# Altium PCB HYDRA_V4_RECOVERY.PcbDoc (part 2 of 2)
Units mm, origin at the board's own origin, x right, y up, seen from the top; angles counter-clockwise.
Board outline 50.1 x 44.1 mm, 4 copper layers (Top Layer, PWR, GND, Bottom Layer), stack 1.586 mm thick; 185 components, 163 nets, 731 pads, 273 vias.
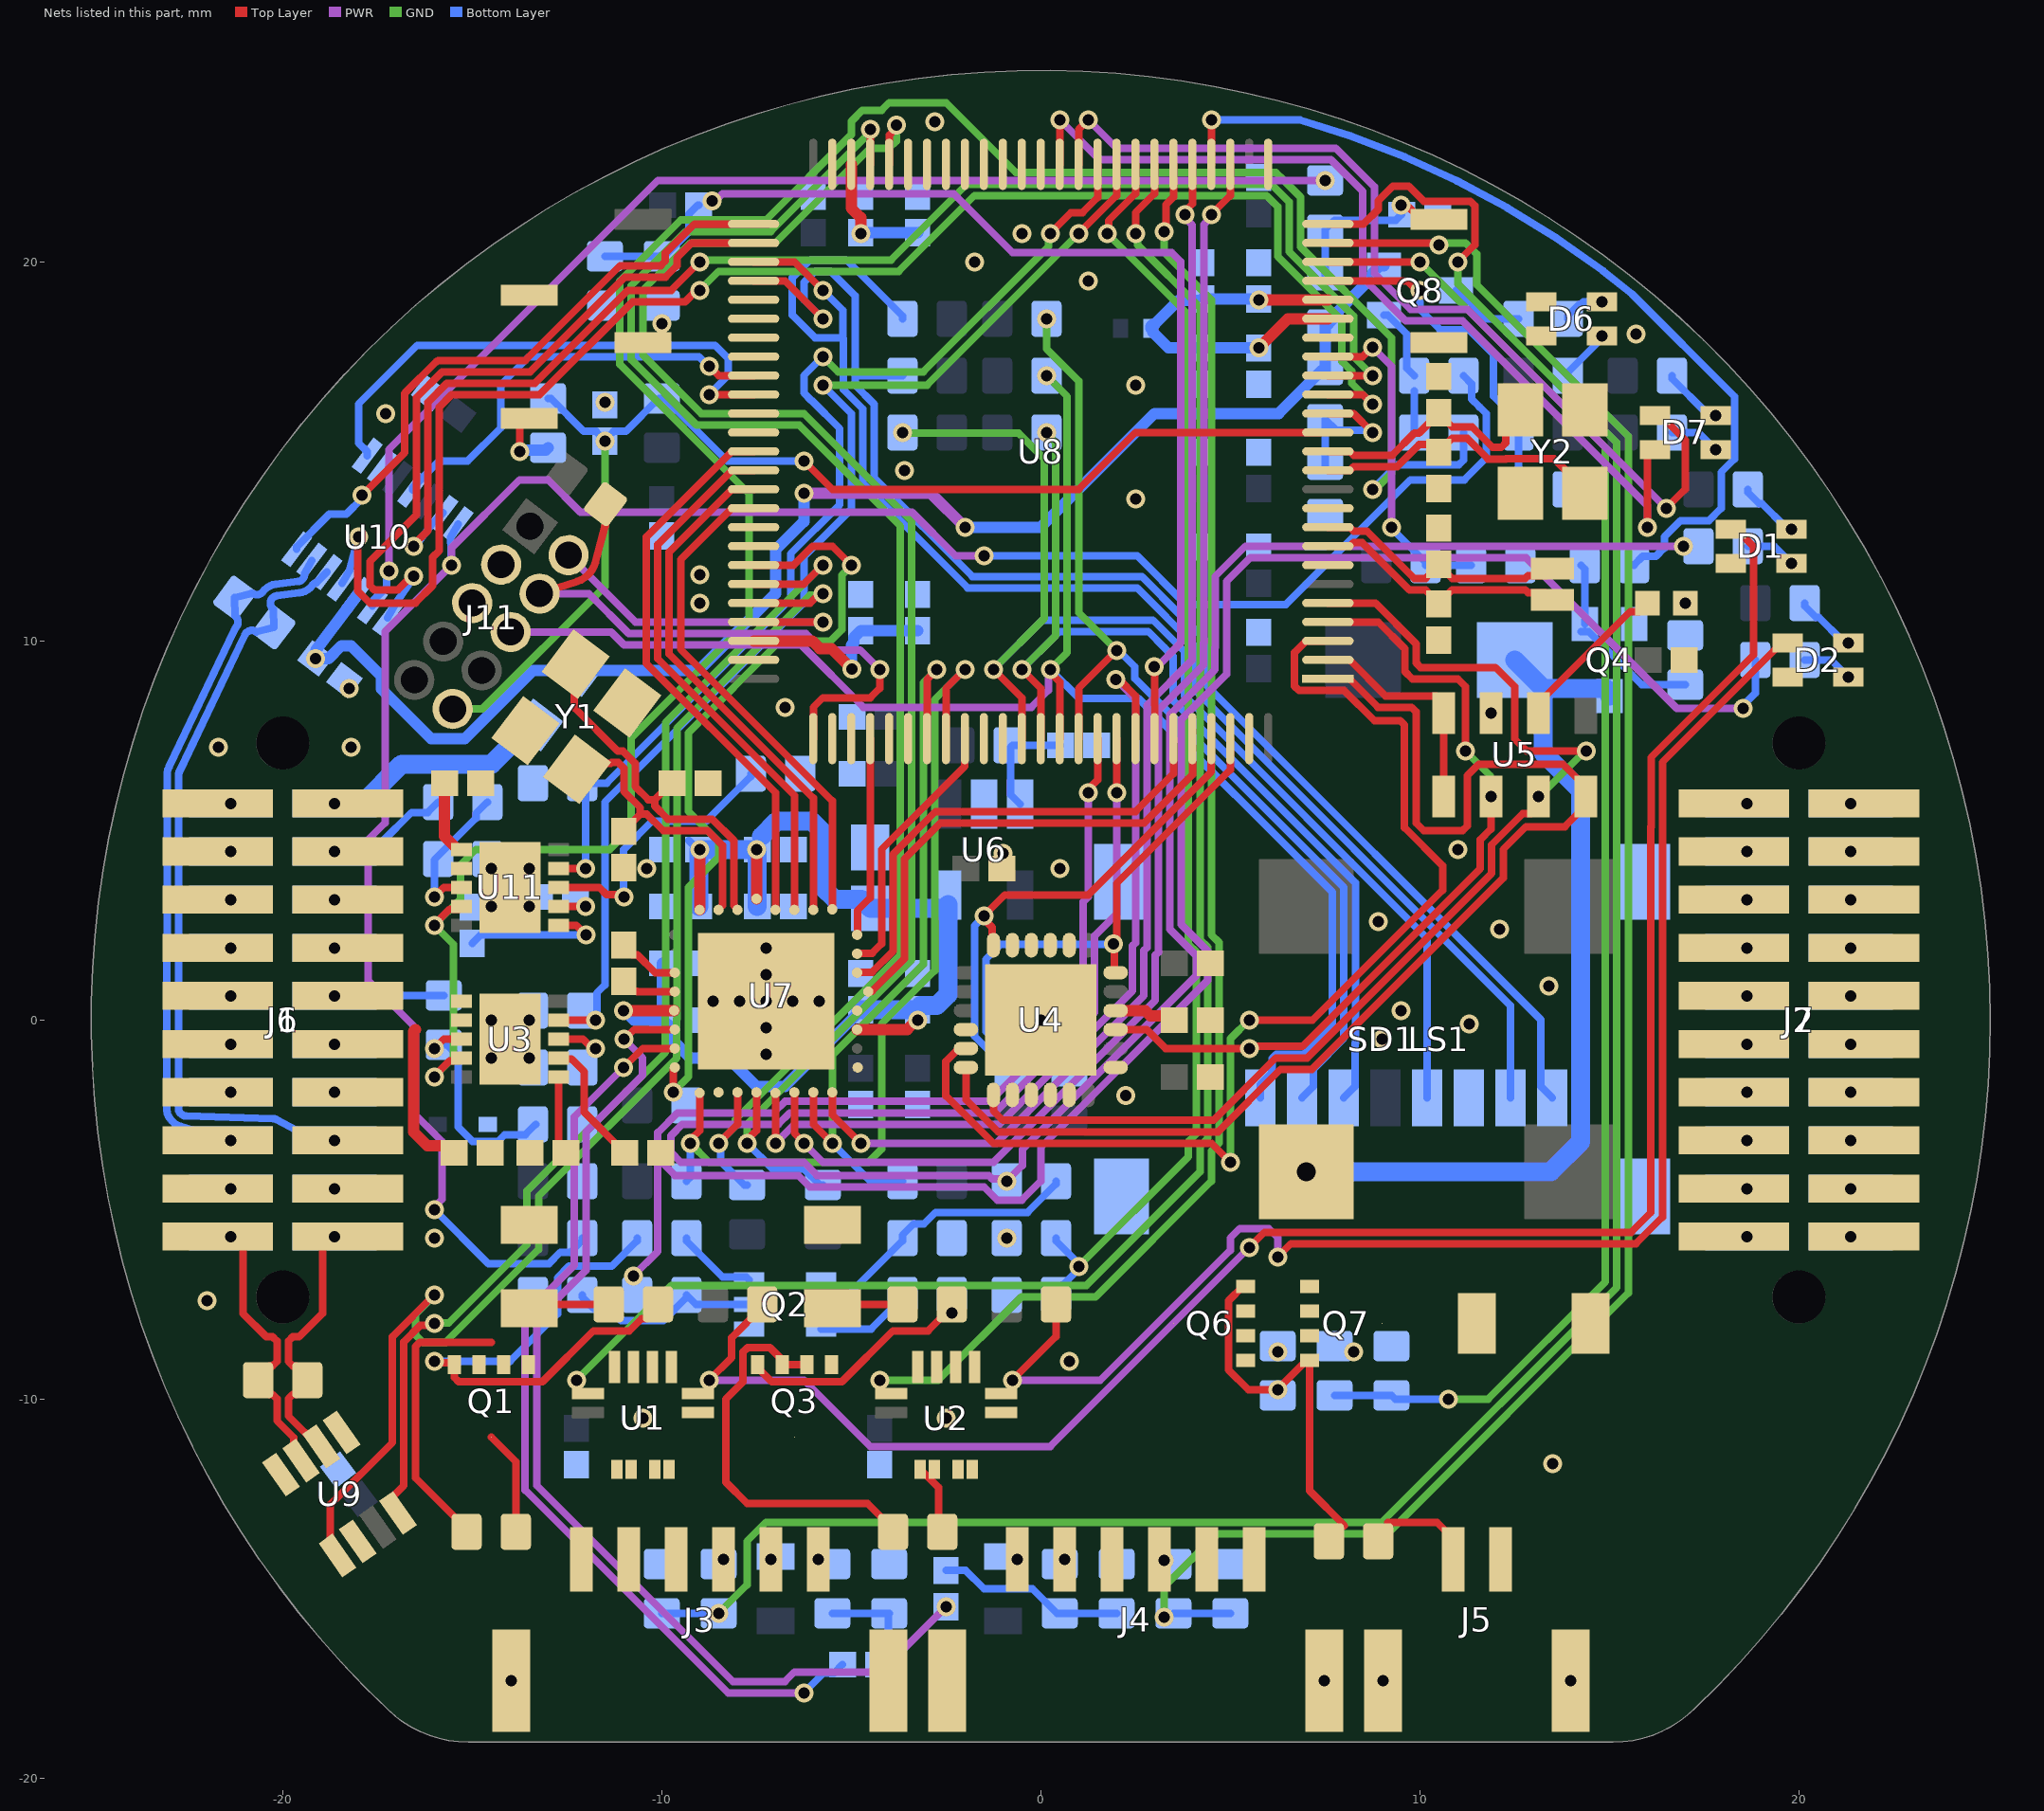
[diagram p4: the nets of this part, all layers, seen from the top]

## Via types
v1: diameter 0.5, hole 0.3, Top Layer to Bottom Layer, tented both sides, 259 vias
v2: diameter 0.5, hole 0.3, Top Layer to Bottom Layer, 10 vias
v3: diameter 0.75, hole 0.5, Top Layer to Bottom Layer, tented both sides, 4 vias

## Nets (pads, with @x,y where several pads share a name; then routed paths per layer and width w, separated by ;. In a path a pad name is that pad's centre, name@x,y a point inside that pad or via, vN(x,y) a via of type N, cw(c..) or ccw(c..) an arc to the next point about the centre after c; other vN are vias at no path point) (continued)
AVDD: C12.1 C19.2 C20.2 C21.2 C22.2 C23.2 C24.2 C27.2 C28.2 U6.5 U7.3 U7.13 U7.16 U7.21 | length 32.2
  Top Layer w0.3: v1(-11.002,0.25) U7.21@-9.671,0.25 ; U7.16@-9,2.905 v1(-9,4.5) ; U7.13@-7.5,3.198 v1(-7.5,4.5) ; U7.3@-4.845,-0.25 -3.526,-0.25 -3.276,-0.001 v1@-3.251,-0.001
  Bottom Layer w0.2: C28.2@-9.279,4.736 -9.043,4.5 C28.2@-9.021,4.5 v1(-9,4.5)
  Bottom Layer w0.3: v1(-11.002,0.25) -10.983,0.25 -10.733,0 C19.2@-9.979,0 ; C20.2@-9.979,1.5 -9.979,0.018 -9.975,0.018 -9.771,-0.186 -9.771,-0.479 -9.25,-1 -8.25,-1 -7.5,-1.75 -6.75,-1.75 -4.75,0.25 C21.2@-4.75,0.271
  Bottom Layer w0.5: C27.2@-9.021,3 C28.2@-9.021,4.479 ; v1(-9,4.5) v1(-7.5,4.5) -7.479,4.479 C23.2@-7.479,3 ; -7.371,4.842 -6.963,5.25 -6.043,5.25 -5.75,4.957 -5.75,3.5 -5.435,3.185 -4.736,3.185 C12.1@-4.5,2.948 -2.55,2.948 U6.5@-2.45,3.048 ; C21.2@-4.75,0.271 C22.2@-3.25,0.271 -3.25,0.293 -3.164,0.379 -2.743,0.379 -2.45,0.672 U6.5@-2.45,3.048 ; U6.5@-2.45,3.05 U6.5@-2.45,3.048
  other v1: -3.25,0
BARO_MISO: U4.9 U5.6 U8.4 | length 21.5
  Top Layer w0.2: U4.9@1.975,-0.25 2.792,-0.25 3.292,-0.75 v1(5.508,-0.75) ; v1@5.5,-0.75 5.553,-0.697 6.903,-0.697 11.597,3.997 11.597,4.759 11.875,5.037 v1(11.875,5.9) ; U8.4@7.575,10.5 8.901,10.5 9.602,9.799 9.602,9.198 9.8,9 11,9 11.2,8.8 v1@11.2,7.3
  GND w0.2: v1(11.2,7.1) 11.85,6.45 11.85,5.925 v1(11.875,5.9)
BARO_MOSI: U4.1 U5.7 U8.5 | length 30.3
  Top Layer w0.2: U4.1@-1.25,-1.975 -1.25,-2.397 -1,-2.647 4.553,-2.647 6.202,-0.998 7.028,-0.998 11.898,3.872 11.898,4.625 12.723,5.45 12.925,5.45 13.125,5.65 v1(13.125,5.9) ; U8.5@7.575,11 8.828,11 9.904,9.924 9.904,9.419 10.021,9.302 11.998,9.302 12.5,8.8 12.5,7.417 12.817,7.1 v1(14.397,7.1)
  GND w0.2: v1(13.125,5.9) 13.163,5.9 14.363,7.1 v1(14.397,7.1)
BARO_nCS: U5.4 U5.5 U8.2 | length 5.8
  Top Layer w0.2: U8.2@7.575,9.5 8.147,9.5 9.095,8.552 10.125,8.552 10.127,8.55 10.425,8.55 10.5,8.475 U5.4@10.5,8.25 ; U5.5@10.625,5.9 U5.4@10.625,8.1
BARO_SCLK: U4.24 U5.8 U8.1 | length 33.9
  Top Layer w0.2: U4.24@-1.975,-1.25 -1.975,-2.098 -1.125,-2.948 4.678,-2.948 6.327,-1.3 7.153,-1.3 12.2,3.747 12.2,4.5 12.8,5.1 13.825,5.1 14.375,5.65 U5.8@14.375,5.9 ; U8.1@7.575,9 8.147,9 8.897,8.25 9.783,8.25 9.9,8.133 9.9,5.2 10.1,5 11.133,5 11.25,5.117 11.25,6.443 11.557,6.75 13.775,6.75 14.5,6.025 U5.8@14.5,6
BOOT: C56.1 R72.2 R73.2 U8.94 | length 29.4
  Top Layer w0.2: U8.94@3,7.425 v1@3,9.312
  PWR w0.2: v1(-8.664,21.603) -8.593,21.603 -8.397,21.8 -2.3,21.8 -0.75,20.25 3.45,20.25 3.697,20.003 3.697,10.203 3.694,10.2 3.694,9.944 3.067,9.317 v1(2.995,9.317)
  Bottom Layer w0.2: R73.2@-11.5,20.15 R72.2@-10,20.15 -9.925,20.15 -9.279,20.796 -9.279,21.264 -9.043,21.5 C56.1@-9.021,21.5
CAM_1: J3.6 R48.2
  other v1: -5.875,-14.225
CAM_2: J4.2 R50.2
  other v1: 0.625,-14.225
CAM_SCL: R56.2 U7.28 U8.46 | length 42.6
  Top Layer w0.2: v1(-7.75,-3.25) -7.75,-3.169 -7.5,-2.919 U7.28@-7.5,-1.906 ; U8.46@-4,22.575 -3.998,22.578 -3.998,23.34 -3.813,23.525 v1(-3.813,23.606)
  GND w0.2: v1(-7.75,-3.25) -7.75,-2.75 -3.402,1.598 -3.402,13.152 -6.25,16 -8.957,16 -10.5,17.543 -10.5,19.25 -9.25,20.5 -7,20.5 -4.5,23 -4,23 -3.813,23.187 v1(-3.813,23.606)
  Bottom Layer w0.2: v1(-7.75,-3.25) v1(-7.75,-3.25) -7.072,-3.927 -6.248,-3.927 -5.825,-4.35 R56.2@-5.75,-4.35
CAM_SDA: R58.2 U7.27 U8.47 | length 41.1
  Top Layer w0.2: v1(-8.5,-3.25) -8,-2.75 U7.27@-8,-1.906 ; U8.47@-4.5,22.575 -4.499,22.577 v1(-4.498,23.5) v1(-4.498,23.5)
  GND w0.2: v1(-8.5,-3.25) -8.052,-2.802 -8.052,-2.625 -3.703,1.723 -3.703,13.027 -6.375,15.698 -9.082,15.698 -10.802,17.418 -10.802,19.375 -9.375,20.802 -7.125,20.802 -4.498,23.429 v1(-4.498,23.5)
  Bottom Layer w0.2: v1(-8.5,-3.25) -8.443,-3.307 -8.443,-3.732 -7.825,-4.35 R58.2@-7.75,-4.35
CAN0_N: J1.16 J6.16 R70.1 U10.12 | length 20.5
  Bottom Layer w0.2: U10.12@-18.828,11.819 -19.104,11.54 ccw(c-19.059,11.345) -19.219,11.465 cw(c-19.619,11.767) -19.558,11.269 -20.148,11.197 ccw(c-20.124,10.998) -20.245,10.839 R70.1@-20.231,10.359 -20.696,10.24 ccw(c-20.816,10.08) -20.976,10.2 ccw(c-20.816,10.08) -20.996,10.166 -22.727,6.548 ccw(c-22.546,6.462) -22.746,6.462 -22.75,-1.999 -22.75,-2.386 -22.717,-2.436 ccw(c-22.55,-2.326) -22.557,-2.526 -20.248,-2.604 cw(c-20.255,-2.805) -20.159,-2.628 -19.645,-2.905 J1.16@-18.635,-3.175
  other v1: -18.635,-3.18
CAN0_P: J1.15 J6.15 R70.2 U10.13 | length 18.4
  Bottom Layer w0.2: J1.15@-21.365,-3.175 -22.375,-2.905 -22.697,-2.806 cw(c-22.55,-2.326) -22.97,-2.601 -23.003,-2.551 cw(c-22.75,-2.386) -23.052,-2.386 -23.052,-2 cw(c-22.75,-1.999) -23.052,-1.999 -23.048,6.462 cw(c-22.546,6.462) -23,6.675 cw(c-22.727,6.548) -22.999,6.678 -21.268,10.296 cw(c-20.816,10.08) -21.216,10.382 ccw(c-21.376,10.502) R70.2@-21.255,10.661 ; R70.2@-21.255,10.661 R70.2@-21.269,11.141 -20.804,11.26 ccw(c-20.684,11.42) -20.524,11.3 cw(c-20.124,10.998) -20.185,11.496 -19.595,11.568 ccw(c-19.619,11.767) -19.46,11.647 ccw(c-19.619,11.767) U10.13@-19.42,11.777 ; U10.13@-19.42,11.777 U10.13@-19.227,12.12
  other v1: -21.365,-3.18
CAN1_N: J1.20 J6.20 R68.1 U9.6 | length 7.1
  Top Layer w0.2: U9.6@-18.979,-11.249 -19.048,-11.249 -19.849,-10.447 -19.849,-9.992 -19.732,-9.875 -19.65,-9.875 -19.35,-9.575 R68.1@-19.35,-9.5 -19.35,-9.425 -19.65,-9.125 -19.732,-9.125 -19.849,-9.008 -19.849,-8.638 -19.849,-8.472 -19.732,-8.355 -19.565,-8.355 -18.95,-7.74 -18.95,-5.985 -18.685,-5.72 v1(-18.635,-5.72)
CAN1_P: J1.19 J6.19 R68.2 U9.7 | length 7.2
  Top Layer w0.2: v1(-21.365,-5.72) -21.315,-5.72 -21.05,-5.985 -21.05,-7.74 -20.435,-8.355 -20.268,-8.355 -20.151,-8.472 -20.151,-8.763 -20.151,-9.008 -20.268,-9.125 -20.35,-9.125 -20.65,-9.425 R68.2@-20.65,-9.5 ; R68.2@-20.65,-9.575 -20.35,-9.875 -20.268,-9.875 -20.151,-9.992 -20.151,-10.572 -19.712,-11.011 -19.712,-11.421 U9.7@-19.512,-11.622
DROGUE_I_SENSE: U2.11 U8.31 | length 39.2
  Top Layer w0.2: v1(-4.25,-9.5) -4.25,-9.802 -4.2,-9.852 U2.11@-3.95,-9.852 ; v1(3.25,20.8) 3.302,20.852 3.302,21.509 3.5,21.707 U8.31@3.5,22.575
  GND w0.2: v1(-4.25,-9.5) -2.707,-9.5 -0.509,-7.302 1.448,-7.302 4.502,-4.248 4.502,-3.451 4.706,-3.247 4.706,2.045 4.502,2.25 4.502,18.998 3.25,20.25 v1(3.25,20.8)
DROGUE_MATCH: J4.3 J4.4 R9.2 U2.3 U2.4
  other v1: 3.25,-14.25
DROGUE_nFAULT: D2.4 R16.1 U2.6 | length 39.7
  Top Layer w0.2: U2.6@-1.05,-9.852 -0.8,-9.852 -0.75,-9.802 v1(-0.75,-9.5) 0.4,-8.35 R16.1@0.4,-7.5 ; v1(6.25,-6.25) 6.6,-5.9 15.7,-5.9 16.4,-5.2 16.4,4.973 16.402,4.975 16.402,6.802 19.55,9.95 D2.4@19.7,9.95
  PWR w0.2: v1(-0.75,-9.5) 1.573,-9.5 5,-6.073 5,-5.75 5.25,-5.5 6.014,-5.5 6.25,-5.736 v1(6.25,-6.25)
DROGUE_TRIG: R14.2 R18.2 U8.91 | length 70
  Top Layer w0.2: v1(1.25,6) 1.25,6.081 1.5,6.331 U8.91@1.5,7.425
  PWR w0.2: v1(-10.75,-6.75) -10.102,-6.102 -10.102,-3.65 ; v1(1.25,6) 1.25,3.247 1.119,3.116 1.119,0.319 -1.347,-2.147 -6.747,-2.147 -7.048,-2.448 -9.579,-2.448 -10.102,-2.971 -10.102,-3.65 ; v1(18.529,8.221) 16.779,8.221 12.802,12.198 5.525,12.198 4.903,11.577 4.903,9.703 4.9,9.7 4.9,9.12 3.706,7.927 3.706,2.52 4.405,1.821 4.405,1.046 0,-3.359 0,-4.25 -0.5,-4.75 -1.15,-4.75 -1.5,-4.4 -6.1,-4.4 -6.4,-4.1 -9.652,-4.1 -10.102,-3.65
  Bottom Layer w0.2: v1(18.529,8.221) 18.529,8.303 18.85,8.624 R18.2@18.85,9.5
DROGUE_V_SENSE: R9.1 R12.2 U8.24 | length 50.9
  Top Layer w0.2: U8.24@7.575,20.5 10.45,20.5 v1(10.5,20.45)
  GND w0.2: v1(3.25,-15.75) 3.25,-14.957 4.656,-13.552 9.148,-13.552 15.5,-7.2 15.5,15.4 11.5,19.4 11.5,20.207 11.207,20.5 10.55,20.5 v1(10.5,20.45)
  Bottom Layer w0.2: R9.1@3.5,-15.65 R12.2@5,-15.65
GND: C1.1 C2.1 C3.2 C4.2 C5.2 C6.1 C7.1 C8.1 C9.1 C10.1 C12.2 C13.1 C15.1 C17.1 C18.1 C19.1 C20.1 C21.1 C22.1 C23.1 C24.1 C25.1 C26.1 C27.1 C28.1 C30.2 C31.2 C32.2 C33.2 C34.2 C35.1 C36.1 C37.1 C38.1 C39.1 C40.1 C41.1 C42.1 C43.1 C44.1 C45.1 C46.1 C47.1 C48.1 C49.1 C50.1 C51.2 C52.2 C53.2 C54.2 C55.2 C57.2 C58.2 C59.2 C60.2 C61.2 D1.1 D2.1 D4.2 D6.1 D6.4 J1.07 J1.08 J1.13 J1.14 J1.17 J1.18 J2.01 J2.02 J2.03 J2.04 J2.05 J2.06 J2.07 J2.08 J2.09 J2.10 J2.11 J2.12 J3.1 J3.2 J3.7 J3.8 J4.5 J4.6 J4.7 J4.8 J5.2 J5.3 J5.4 J6.07 J6.08 J6.13 J6.14 J6.17 J6.18 J7.01 J7.02 J7.03 J7.04 J7.05 J7.06 J7.07 J7.08 J7.09 J7.10 J7.11 J7.12 J11.03 J11.05 Q2.1 Q2.4 Q4.2 R4.1 R7.1 R12.1 R15.1 R22.2 R24.1 R26.1 R28.1 R30.2 R32.2 R33.2 R34.1 R36.1 R43.1 R46.1 R49.1 R52.1 R73.1 R77.2 R78.2 R79.2 SD1.6 SD1.9 SD1.10 SD1.11 SD1.12 SW1.2 SW2.2 U1.5 U1.7 U1.8 U1.9 U1.10 U2.5 U2.7 U2.8 U2.9 U2.10 U3.11 U4.2 U4.3 U4.4 U4.5 U4.7 U4.14 U4.15 U4.16 U4.17 U4.22 U4.25 U5.3 U6.2 U7.1 U7.4 U7.26 U7.33 U8.10 U8.19 U8.26 U8.49 U8.74 U8.99 U9.2 U10.2 U11.11 Y1.2 Y1.4 Y2.2 Y2.4
  other v1: -13.975,-17.425 7.475,-17.425 9.025,-17.425 13.975,-17.425 13.5,-11.7 -10.5,-10.5 -2.5,-10.5 0.75,-9 -22,-7.4 -16,-5.75 -21.365,-4.45 -18.635,-4.45 2.247,-1.997 -21.365,-1.91 -18.635,-1.91 -14.5,-1 -13.5,-1 18.635,-0.64 21.365,-0.64 9,-0.5 11.3,-0.1 -14.5,0 -13.5,0 9.5,0.25 18.635,0.63 21.365,0.63 13.4,0.9 -21.365,1.9 -18.635,1.9 18.635,1.9 21.365,1.9 12.1,2.4 8.9,2.6 -14.5,3 -13.5,3 18.635,3.17 21.365,3.17 -14.5,4 -13.5,4 -10.4,4 0.5,4 -1,4.4 18.635,4.44 21.365,4.44 11,4.5 18.635,5.71 21.365,5.71 -21.7,7.2 -18.2,7.2 11.875,8.1 -6.75,8.25 -18.25,8.747 -9,11 17,11 -9,11.75 2.5,13.75 -3.6,14.5 -17.276,16 -11.5,16.3 2.5,16.75 15.7,18.1 1.25,19.5 -1.75,20 -0.5,20.75 -2.8,23.7
  other v2: -7.25,-0.9 -7.25,-0.2 0,0 -8.65,0.5 -7.95,0.5 -7.25,0.5 -6.55,0.5 -5.85,0.5 -7.25,1.2 -7.25,1.9
HS: U7.30 U8.28 | length 35.6
  Top Layer w0.2: U7.30@-6.5,-1.906 -6.5,-2.983 -6.25,-3.233 v1(-6.25,-3.25) ; v1(4.5,21.25) 5,21.75 U8.28@5,22.575
  PWR w0.2: v1(-6.25,-3.25) -5.75,-3.75 -1.244,-3.75 3.021,0.515 3.021,1.707 3.103,1.789 3.103,8.177 4.297,9.37 4.297,9.95 4.3,9.953 4.3,20.983 4.5,21.183 v1(4.5,21.25)
IMU_nCS: U4.23 U8.3 | length 30.3
  Top Layer w0.2: U4.23@-1.975,-0.75 -2.158,-0.75 -2.502,-1.094 -2.502,-1.998 -1.25,-3.25 4.5,-3.25 v1(5.002,-3.75) v1(5.002,-3.75) ; v1(5.5,0) 7.173,0 10.6,3.427 10.6,4.073 9.598,5.075 9.598,7.783 9.481,7.9 8.8,7.9 8.008,8.692 6.814,8.692 6.696,8.81 6.696,9.692 7.004,10 U8.3@7.575,10
  GND w0.2: v1(5.002,-3.75) 5.008,-3.744 5.008,-0.492 v1(5.5,0)
IMU_nRESET: R44.1 U4.18 U8.97 | length 13.8
  Top Layer w0.2: U4.18@-1.25,1.975 -1.279,2.004 -1.279,2.448 -1.5,2.669 v1(-1.5,2.75) -0.95,3.3 1.253,3.3 4.498,6.545 4.498,7.422 U8.97@4.5,7.425
  Bottom Layer w0.2: v1(-1.5,2.75) -1.5,2.733 -1.75,2.483 -1.75,-0.425 -1,-1.175 R44.1@-1,-1.35
IMU_ODR: R45.2 U4.12 U8.98 | length 15.5
  Top Layer w0.2: v1(1.921,2.008) 1.948,1.981 1.948,1.277 U4.12@1.975,1.25 ; v1@1.987,1.987 2,2 2,3.6 5,6.6 U8.98@5,7.425
  Bottom Layer w0.2: R45.2@0.75,-1.35 0.675,-1.35 0.073,-0.748 -1,-0.748 -1.448,-0.3 -1.448,1.6 -1.048,2 1.913,2 v1(1.921,2.008)
LLC: U7.32 U8.30 | length 33.4
  Top Layer w0.2: U7.32@-5.5,-1.906 -5.5,-2.5 v1(-4.75,-3.25) ; v1(3.802,21.25) 3.802,21.331 4,21.53 U8.30@4,22.575
  PWR w0.2: v1(-4.75,-3.25) -1.17,-3.25 2.72,0.64 2.72,1.832 2.802,1.914 2.802,8.302 3.995,9.495 3.995,10.075 3.998,10.078 3.998,20.972 3.802,21.169 v1(3.802,21.25)
MAIN_I_SENSE: U1.11 U8.32 | length 47
  Top Layer w0.2: v1(-12.25,-9.5) -12.25,-9.802 -12.2,-9.852 U1.11@-11.95,-9.852 ; v1(2.5,20.75) 2.5,21.3 3,21.8 U8.32@3,22.575
  GND w0.2: v1(-12.25,-9.5) -9.75,-7 1.207,-7 4.2,-4.007 4.2,-3.327 4.405,-3.122 4.405,1.92 4.2,2.125 4.2,18.8 2.557,20.443 2.557,20.693 v1(2.5,20.75)
MAIN_MATCH: J3.3 J3.4 R1.2 U1.3 U1.4
  other v1: -8.375,-14.225
MAIN_nFAULT: D1.4 R8.1 U1.6 | length 50.8
  Top Layer w0.2: U1.6@-9.05,-9.852 -8.8,-9.852 -8.75,-9.802 v1(-8.75,-9.5) -8.153,-8.903 -8.153,-8.378 -7.35,-7.575 R8.1@-7.35,-7.5 ; v1(5.5,-6) 5.902,-5.598 15.575,-5.598 16.098,-5.075 16.098,5.098 16.1,5.1 16.1,6.927 18.802,9.628 18.802,12.498 18.35,12.95 D1.4@18.2,12.95
  PWR w0.2: v1(-8.75,-9.5) -6.25,-9.5 -4.5,-11.25 0.25,-11.25 v1(5.5,-6)
MAIN_TRIG: R6.2 R17.2 U8.92 | length 61.1
  Top Layer w0.2: v1(2,6) U8.92@2,7.425
  PWR w0.2: v1(2,6) 2,2.794 1.421,2.215 1.421,0.194 -1.222,-2.448 -6.622,-2.448 -6.923,-2.75 -9.454,-2.75 -9.757,-3.053 -9.757,-3.493 -9.5,-3.75 -6.25,-3.75 -5.902,-4.098 -1.375,-4.098 -1.281,-4.193 -0.957,-4.193 v1(-0.9,-4.25) -0.486,-3.836 -0.486,-3.419 4.103,1.171 4.103,1.696 3.405,2.395 3.405,8.052 4.598,9.245 4.598,9.825 4.602,9.828 4.602,11.702 5.4,12.5 v1(16.95,12.5)
MAIN_V_SENSE: R1.1 R4.2 U8.25 | length 64.5
  Top Layer w0.2: U8.25@7.575,21 8.52,21 8.907,21.386 8.907,21.614 9.293,22 9.707,22 10.106,21.602 11.334,21.602 11.452,21.484 11.452,20.452 v1(11,20)
  GND w0.2: v1(-8.5,-15.65) -7.75,-14.9 -7.75,-13.75 -7.25,-13.25 9,-13.25 15.198,-7.052 15.198,15.228 11,19.427 v1(11,20)
  Bottom Layer w0.2: R4.2@-10,-15.65 v1(-8.5,-15.65)
MCU_G_LED: D7.1 U8.37 | length 25
  Top Layer w0.2: U8.37@0.5,22.575 v1(0.5,23.75) ; v1(16,13) 16,14.9 16.15,15.05 D7.1@16.2,15.05
  PWR w0.2: v1(0.5,23.75) 1.552,22.698 7.659,22.698 8.498,21.859 8.498,19.575 9.625,18.448 11.125,18.448 16,13.573 v1(16,13)
MCU_R_LED: D7.4 U8.36 | length 25.2
  Top Layer w0.2: U8.36@1,22.575 1,23.494 1.25,23.744 v1(1.25,23.75) ; D7.4@16.2,15.95 16.35,15.95 17,15.3 17,14 v1(16.5,13.5)
  PWR w0.2: v1(1.25,23.75) 2,23 7.784,23 8.8,21.984 8.8,19.7 9.75,18.75 11.25,18.75 v1(16.5,13.5)
nARM_PYRO: J5.1 R42.2 | length 2.5
  Top Layer w0.2: 9.15,-13.25 10.45,-13.25 10.875,-13.675 J5.1@10.875,-14.225
nENABLE: Q6.4 Q7.4 R40.2 R42.1 | length 9.8
  Top Layer w0.2: Q6.4@5.41,-7.025 5.335,-7.025 4.958,-7.402 4.958,-9.234 5.475,-9.75 v1@6.233,-9.75 ; v1(6.25,-9.75) 6.25,-9.74 7.015,-8.975 Q7.4@7.09,-8.975 7.09,-12.415 8.01,-13.335
NetC4_1: C4.1 U3.7 | length 3.4
  Top Layer w0.2: U3.7@-12.715,-1 -12.69,-1.025 -12.384,-1.025 -12.048,-1.361 -12.048,-2.431 C4.1@-10.979,-3.5
NetC5_1: C5.1 U3.6 | length 2.1
  Top Layer w0.2: U3.6@-12.715,-1.5 -12.715,-3.314 -12.529,-3.5 C5.1@-12.521,-3.5
NetC9_2: C9.2 U4.10 | length 1.6
  Top Layer w0.3: U4.10@1.975,0.25 2.75,0.25 2.896,0.104 3.417,0.104 C9.2@3.521,0
NetC11_2: C11.2 R48.1 R49.2 | length 3
  Bottom Layer w0.2: R48.1@-5.5,-15.65 R49.2@-4,-15.65 -4.014,-15.664 -4.014,-16.764 -4.25,-17 C11.2@-4.271,-17
NetC14_2: C14.2 R50.1 R52.2 | length 5
  Bottom Layer w0.2: C14.2@-2.5,-14.521 -1.979,-14.521 -1.5,-15 -0.225,-15 0.425,-15.65 R50.1@0.5,-15.65 R52.2@2,-15.65
NetC43_2: C43.2 C44.2 U8.48 | length 3.4
  Top Layer w0.3: U8.48@-5,22.575 -5,21.417 -4.75,21.167 v1(-4.75,20.75)
  Bottom Layer w0.3: v1(-4.75,20.75) -4.729,20.771 C43.2@-3.25,20.771
NetC45_2: C45.2 C46.2 U8.73 | length 5.5
  Top Layer w0.3: U8.73@-7.575,10 -6.028,10 -5.828,9.8 -5.522,9.8 -4.986,9.264 v1(-4.984,9.264)
  Bottom Layer w0.3: v1(-4.984,9.264) -5,9.281 -5,9.888 -4.936,9.952 -4.936,10.085 C46.2@-4.75,10.271 C45.2@-3.25,10.271
NetC55_1: C55.1 R69.1 R71.1 SW2.1 | length 4.5
  Top Layer w0.2: v1(9.5,21.5) 9.557,21.443 9.707,21.443 9.9,21.25 SW2.1@10.5,21.25
  Bottom Layer w0.2: R69.1@7.5,19.65 R71.1@7.5,20.85 7.75,21.1 9.371,21.1 C55.1@9.521,21.25
NetC60_1: C60.1 U11.7 | length 0.7
  Top Layer w0.2: U11.7@-12.715,3 v1(-12.002,3)
NetC61_1: C61.1 U11.6 | length 3.9
  Top Layer w0.2: U11.6@-12.715,2.5 -12.256,2.5 -12.006,2.25 v1(-12,2.25)
  Bottom Layer w0.2: C61.1@-15,2.021 -14.771,2.25 v1(-12,2.25)
NetD1_2: D1.2 R17.1 | length 1.3
  Bottom Layer w0.2: R17.1@18.65,12.5 19.35,12.5 v1(19.8,12.05)
NetD1_3: D1.3 R19.1 | length 1.6
  Bottom Layer w0.2: R19.1@18.65,14 18.65,13.925 18.95,13.625 19.025,13.625 19.643,13.007 19.743,13.007 v1(19.8,12.95)
NetD2_2: D2.2 R18.1 | length 1.3
  Bottom Layer w0.2: R18.1@20.15,9.5 20.85,9.5 v1(21.3,9.05)
NetD2_3: D2.3 R20.1 | length 1.6
  Bottom Layer w0.2: R20.1@20.15,11 20.15,10.925 20.45,10.625 20.525,10.625 21.143,10.007 21.243,10.007 v1(21.3,9.95)
NetD3_2: D3.2 LS1.N Q4.3 | length 22.9
  Bottom Layer w0.5: v3(7,-4) 13.457,-4 14.247,-3.21 14.247,6.053 13.25,7.05 D3.2@13.25,8.75 ; D3.2@12.5,9.5 12.7,9.3 D3.2@13.25,8.75 ; Q4.3@15,8.55 15,8.65 14.9,8.75 D3.2@13.25,8.75
NetD6_2: D6.2 R62.1 | length 1.4
  Bottom Layer w0.2: R62.1@13.9,17 13.9,17.075 14.8,17.975 v1(14.8,18.05)
NetD6_3: D6.3 R63.1 | length 1.1
  Bottom Layer w0.2: R63.1@13.9,18.5 13.9,18.575 14.2,18.875 14.244,18.875 14.319,18.95 v1(14.8,18.95)
NetD7_2: D7.2 R66.1 | length 1.3
  Bottom Layer w0.2: R66.1@16.65,15.5 17.35,15.5 v1(17.8,15.05)
NetD7_3: D7.3 R67.1 | length 1.6
  Bottom Layer w0.2: R67.1@16.65,17 16.65,16.925 17.568,16.007 17.743,16.007 v1(17.8,15.95)
NetF1_2: F1.2 Q1.1 Q1.2 Q1.3 R3.1 R5.1 | length 9.6
  Top Layer w0.2: R3.1@-15.15,-13.5 -15.15,-13.425 -16.5,-12.075 -16.5,-8.617 -16.383,-8.5 -14.5,-8.5 ; F1.2@-13.5,-7.6 -13.4,-7.5 R5.1@-11.4,-7.5
NetF2_2: F2.2 Q3.1 Q3.2 Q3.3 R11.1 R13.1 | length 12.4
  Top Layer w0.2: Q3.2@-6.175,-9.09 -6.691,-9.09 -7.143,-8.638 -7.734,-8.638 -7.852,-8.756 -7.852,-9.545 -8.307,-10 -8.307,-12.193 -7.75,-12.75 -4.575,-12.75 -3.9,-13.425 R11.1@-3.9,-13.5 ; F2.2@-5.5,-7.5 R13.1@-3.65,-7.5
NetF3_1: F3.1 J3.5
  other v1: -7.125,-14.225
NetF4_1: F4.1 J4.1
  other v1: -0.625,-14.225
NetF7_2: F7.2 Q7.5-6-7-8 R25.2
  other v1: 8.25,-8.75
NetQ1_4: Q1.4 R2.1 R5.2 | length 14.6
  Top Layer w0.2: v1(-16,-9) -15.955,-9.045 -15.52,-9.045 Q1.4@-15.475,-9.09 ; Q1.4@-15.557,-9.083 Q1.4@-15.42,-9.22 ; Q1.4@-15.475,-9.22 -15.475,-9.424 -15.358,-9.542 -13.142,-9.542 -11.8,-8.2 -10.852,-8.2 -10.527,-7.875 -10.4,-7.875 -10.1,-7.575 R5.2@-10.1,-7.5
  Bottom Layer w0.2: v1(-16,-9) -14,-9 -12.75,-7.75 -12.75,-6.798 -12.442,-6.49 -11.315,-6.49 -10.65,-5.825 R2.1@-10.65,-5.75
NetQ2_2: Q2.2 R6.1 R7.2 | length 7.7
  Bottom Layer w0.2: Q2.2@-5.8,-7.5 -5.7,-7.4 -5.225,-7.4 -3.65,-5.825 R7.2@-3.65,-5.75 -3.65,-5.675 -3.35,-5.375 -3.077,-5.375 -2.775,-5.073 -0.348,-5.073 0.4,-4.325 R6.1@0.4,-4.25
NetQ2_3: Q2.3 R10.2 | length 2.6
  Bottom Layer w0.2: Q2.3@-5.8,-8.15 -4.475,-8.15 -3.65,-7.325 R10.2@-3.65,-7.25
NetQ2_5: Q2.5 R14.1 R15.2 | length 5.1
  Bottom Layer w0.2: R15.2@-12.1,-7.25 -12.1,-7.302 -11.8,-7.602 -11.4,-7.602 -11.075,-7.927 -9.952,-7.927 -9.35,-7.325 R14.1@-9.35,-7.25 -9.1,-7.5 Q2.5@-7.7,-7.5
NetQ2_6: Q2.6 R2.2 | length 2.1
  Bottom Layer w0.2: R2.2@-9.35,-5.75 -9.35,-5.825 -8.4,-6.775 -7.775,-6.775 Q2.6@-7.7,-6.85
NetQ3_4: Q3.4 R10.1 R13.2 | length 6.2
  Top Layer w0.2: Q3.4@-7.475,-9.09 -7.475,-9.165 -7.098,-9.542 -5.242,-9.542 -3.9,-8.2 -2.975,-8.2 -2.35,-7.575 R13.2@-2.35,-7.5
  other v1: -2.35,-7.725
NetQ4_1: Q4.1 R21.1 R22.1 | length 4.9
  Bottom Layer w0.2: Q4.1@14.25,10.25 14.45,10.25 15.85,8.85 R22.1@17,8.85 ; R21.1@14.25,12 14.35,11.9 Q4.1@14.35,10.45
NetQ6_1: Q6.1 Q6.2 Q6.3 Q7.1 Q7.2 Q7.3 R40.1
  other v1: 6.25,-8.75
NetQ8_1: Q8.1 R64.1 R80.1 | length 3.1
  Bottom Layer w0.2: Q8.1@9.05,18.6 9.15,18.6 9.65,18.1 9.65,17.2 R64.1@9.85,17 ; R80.1@9.85,15.5 R64.1@9.85,16.6
NetQ8_3: Q8.3 R63.2 | length 2